# Altium PCB WireFeeder.PcbDoc (part 1 of 2) (continued)
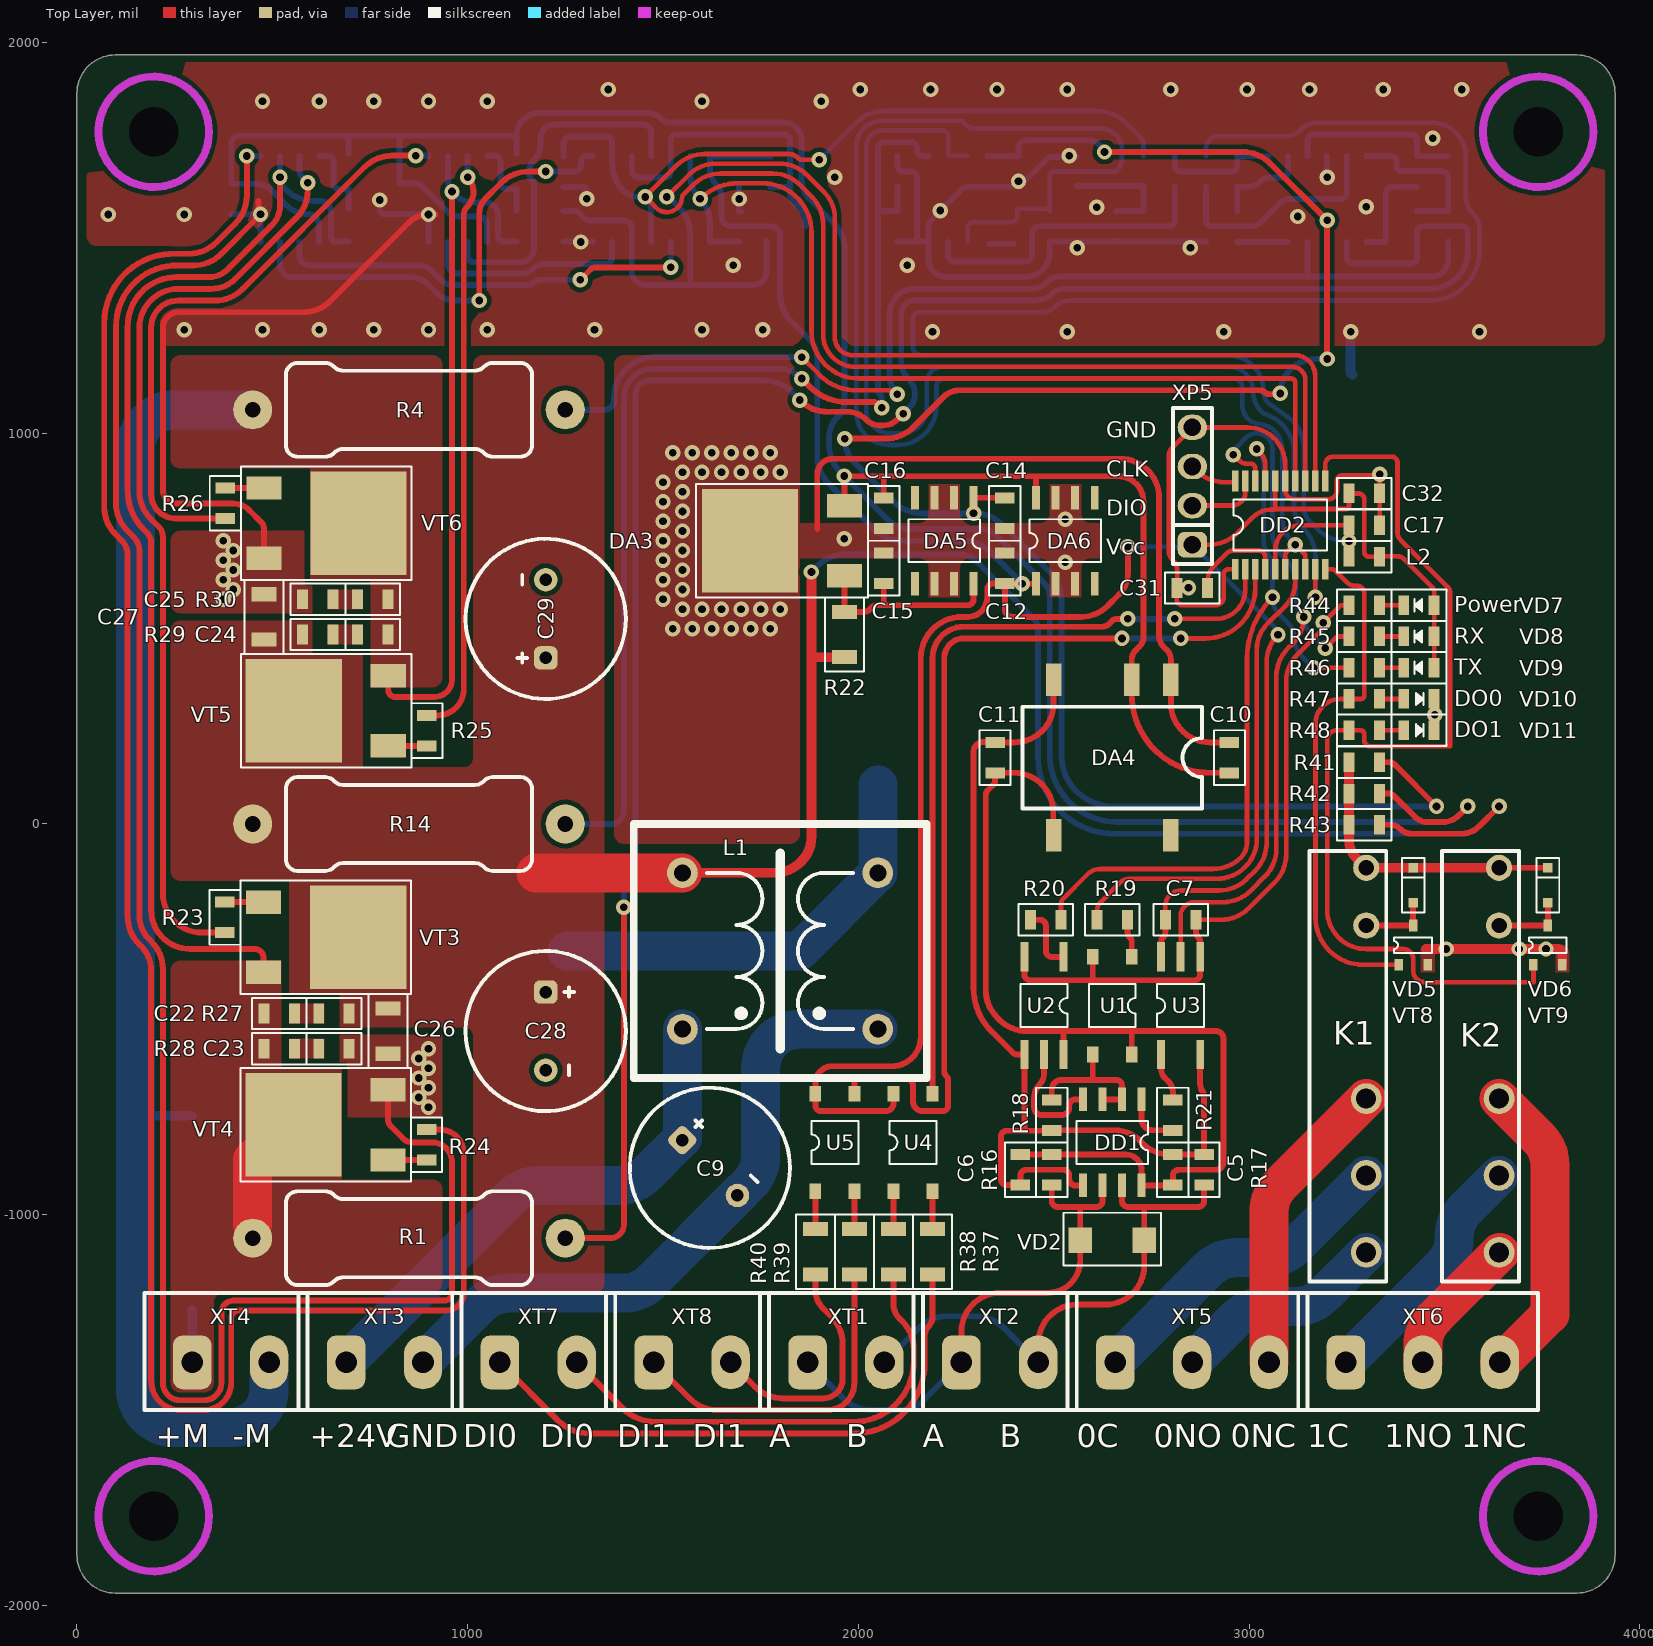
[diagram p0: Top Layer view]
## Components (designator, comment, footprint, x,y, rotation, side; value= is the part's Value field where it differs from the comment) (continued)
VD3 "BAS316 (100 V, 250 mA, SOD-323)" SOD-323 695,1669.63 r270 bottom
VD4 "BAS316 (100 V, 250 mA, SOD-323)" SOD-323 1125,1670 r270 bottom
VD5 "BAS316 (100 V, 250 mA, SOD-323)" SOD-323 3420,-157 r90 top
VD6 "BAS316 (100 V, 250 mA, SOD-323)" SOD-323 3765,-157 r90 top
VD7 "KP-2012SGC (2.2V, 25mA, LED0805 GREEN)" "LED0805 GREEN" 3435,560 r90 top
VD8 "KP-2012SGC (2.2V, 25mA, LED0805 GREEN)" "LED0805 GREEN" 3435,480 r90 top
VD9 "KP-2012SGC (2.2V, 25mA, LED0805 GREEN)" "LED0805 GREEN" 3435,400 r90 top
VD10 "KP-2012SGC (2.2V, 25mA, LED0805 GREEN)" "LED0805 GREEN" 3435,320 r270 top
VD11 "KP-2012SGC (2.2V, 25mA, LED0805 GREEN)" "LED0805 GREEN" 3435,240 r270 top
VT1 "2N7002K (60 V, 0.34 A, 1000 mOh, SOT23-3 MOSFET (GSD))" "SOT23-3 MOSFET (GSD)" 2610,1530 r270 bottom
VT2 "2N7002K (60 V, 0.34 A, 1000 mOh, SOT23-3 MOSFET (GSD))" "SOT23-3 MOSFET (GSD)" 2610,1670 r90 bottom
VT3 "IRFR8314 (30 V, 179 A, 2.2 mOh, D-PAK MOSFET)" "D-PAK MOSFET" 638,-290 r270 top
VT4 "IRFR8314 (30 V, 179 A, 2.2 mOh, D-PAK MOSFET)" "D-PAK MOSFET" 636,-770 r90 top
VT5 "IRFR8314 (30 V, 179 A, 2.2 mOh, D-PAK MOSFET)" "D-PAK MOSFET" 637,290 r90 top
VT6 "IRFR8314 (30 V, 179 A, 2.2 mOh, D-PAK MOSFET)" "D-PAK MOSFET" 639,770 r270 top
VT7 "2N7002K (60 V, 0.34 A, 1000 mOh, SOT23-3 MOSFET (GSD))" "SOT23-3 MOSFET (GSD)" 1815,1530 r90 bottom
VT8 "2N7002K (60 V, 0.34 A, 1000 mOh, SOT23-3 MOSFET (GSD))" "SOT23-3 MOSFET (GSD)" 3420,-310 r0 top
VT9 "2N7002K (60 V, 0.34 A, 1000 mOh, SOT23-3 MOSFET (GSD))" "SOT23-3 MOSFET (GSD)" 3765,-310 r0 top
XP5 "XP0003" PLS-04 2855,865 r90 top
XT1 "PCB Screw Terminal Blocks 2-Pin, Pitch 5mm" DG306-5.0-2P 1968.5,-1377.95 r0 top
XT2 "PCB Screw Terminal Blocks 2-Pin, Pitch 5mm" DG306-5.0-2P 2362.2,-1377.95 r0 top
XT3 "PCB Screw Terminal Blocks 2-Pin, Pitch 5mm" DG306-5.0-2P 787.4,-1377.95 r0 top
XT4 "PCB Screw Terminal Blocks 2-Pin, Pitch 5mm" DG306-5.0-2P 393.7,-1377.95 r0 top
XT5 "PCB Screw Terminal Blocks 3-Pin, Pitch 5mm" DG306-5.0-3P 2854.33,-1377.95 r0 top
XT6 "PCB Screw Terminal Blocks 3-Pin, Pitch 5mm" DG306-5.0-3P 3444.88,-1377.95 r0 top
XT7 "PCB Screw Terminal Blocks 2-Pin, Pitch 5mm" DG306-5.0-2P 1181.1,-1377.95 r0 top
XT8 "PCB Screw Terminal Blocks 2-Pin, Pitch 5mm" DG306-5.0-2P 1574.8,-1377.95 r0 top

## Footprints (in the part's own frame and the unit in brackets; to place one, negate y for a bottom-side part, rotate by r counter-clockwise, add the part's x,y. Pads: shape width x height; smd on the part's side, far side on the other; paste and mask are expansions set on the pad)
34.51 [mm] "Relay 34.51x series (Finder)"
  round 2 hole 1.3: 1A(12.1,0) 1B(2.1,0) 1C(7.1,0)
  round 1.7 hole 1: CoilA(-12.9,0) CoilB(-9.15,0)
  silkscreen extent -14,-3.7 14,1.3, body extent -14,-3.7 14,1.3, height 14.7
B_XT-1WR2 [mm] "B_XT-1WR2"
  rect 1x2.1 smd: +Vin(-1.27,-5.05) +Vout(3.81,5.05) -Vin(-3.81,-5.05) COM(3.81,-5.05) NC(-3.81,5.05)
  silkscreen extent -5.84,-3.3 5.84,3.3, body extent -6.34,-5.62 6.36,5.58, height 7.24
BU10 [mm] "COMMON MODE POWER LINE CHOKE"
  round 2 hole 1.1: InA(-6.35,-5.08) InB(6.35,-5.08) OutA(-6.35,5.08) OutB(6.35,5.08)
  silkscreen extent -9.53,-8.25 9.53,8.25, body extent -9.47,-8.05 9.47,8.05, height 22.5
CAP0805 [mil] "0805 Reflow Pad"
  rect 50x28 smd: 1(0,-39) 2(0,39)
  silkscreen extent -40,-70 40,70, body extent -25,-39 25,39, height 49
CAP1206 [mil] "1206 Reflow Pad"
  rect 64x36 smd: 1(0,-58) 2(0,58)
  silkscreen extent -50,-95 50,95, body extent -31,-61 31,61, height 63
CapAl10X16X5.0 [mil] "Aluminum Electrolytic Capacitors (Size:10X16X5.0mm,Straight)"
  rrect50% 60x60 hole 32: 1(-100,0)
  round 60 hole 32: 2(100,0)
  silkscreen extent -205,-205 205,205, body extent -198,-198 198,198, height 646
D-PAK [mil] "D-PAK Package"
  rect 265x246 smd: GND(0,82)
  rect 60x90 smd: Input(-90,-160) Output(90,-160)
  silkscreen extent -145,-220 145,220, body extent -128,-181 128,193, height 91
"D-PAK MOSFET" [mil] "MOSFET D-PAK (TO-252AA)"
  rect 265x246 smd: Drain(0,82)
  rect 60x90 smd: Gate(-90,-160) Source(90,-160)
  silkscreen extent -145,-219 145,217, body extent -128,-181 128,193, height 91
DG306-5.0-2P [mm] "Degson PCB Screw Terminal Blocks"
  rrect50% 2.5x3.5 hole 1.4: 1(-2.5,0)
  oval 2.5x3.5 hole 1.4: 2(2.5,0)
  silkscreen extent -5.6,-3.1 5,4.5, body extent -5.6,-3.1 5,4.5, height 10
DG306-5.0-3P [mm] "Degson PCB Screw Terminal Blocks"
  rrect50% 2.5x3.5 hole 1.4: 1(-5,0)
  oval 2.5x3.5 hole 1.4: 2(0,0) 3(5,0)
  silkscreen extent -8.1,-3.1 7.5,4.5, body extent -8.1,-3.1 7.5,4.5, height 10
IND0805 [mil] "0805 Reflow Pad"
  rect 50x28 smd: 1(0,-39) 2(0,39)
  silkscreen extent -40,-70 40,70, body extent -25,-39 25,39, height 49
"LED0805 GREEN" [mil] "0805 LED Green Color"
  rect 50x28 smd: Anode(0,-39) Cathode(0,39)
  silkscreen extent -40,-70 40,70, body extent -25,-39 25,39, height 43
PLS-04 [mil] "PCB Vertical Single Connector 4-Pin"
  rrect50% 65x75 hole 45: 1(-150,0)
  oval 65x75 hole 45: 2(-50,0) 3(50,0) 4(150,0)
  silkscreen extent -200,-50 200,50, body extent -200,-50 200,50, height 337
"RES2W (800mil)" [mil] "Resistor 2W 800mil"
  round 100 hole 40: 1(0,-400) 2(0,400)
  silkscreen extent -120,-315 120,315, body extent -108,-416 108,416, height 233
RES0805 [mil] "0805 Reflow Pad"
  rect 50x28 smd: 1(0,-39) 2(0,39)
  silkscreen extent -40,-70 40,70, body extent -25,-39 25,39, height 20
RES1206 [mil] "1206 Reflow Pad"
  rect 64x36 smd: 1(0,-58) 2(0,58)
  silkscreen extent -50,-95 50,95, body extent -32,-61 31,61, height 22
"SMA Bidirectional" [mil] "SMA Bidirectional TVS Diode"
  rect 60x65 smd: 1(-82,0) 2(82,0)
  silkscreen extent -125,-65 125,70, body extent -102,-57 102,57, height 91
"SO-6 5pin" [mil] "SMD SO-6 5pin Case"
  rect 20x75 smd: 1(-50,-125) 2(50,-125) 3(50,125) 4(0,125) 5(-50,125)
  silkscreen extent -60,-55 60,55, body extent -71,-138 71,138, height 105
"SO-8 Narrow" [mil] "SO-8 Narrow"
  rect 20x60 smd: 1(-75,-110) 2(-25,-110) 3(25,-110) 4(75,-110) 5(75,110) 6(25,110) 7(-25,110) 8(-75,110)
  silkscreen extent -92,-55 91,55, body extent -97,-115 96,112, height 57
"SO-14 Narrow" [mil] "SO-14 Narrow"
  rect 20x60 smd: 1(-150,-110) 2(-100,-110) 3(-50,-110) 4(0,-110) 5(50,-110) 6(100,-110) 7(150,-110) 8(150,110) 9(100,110) 10(50,110) 11(0,110) 12(-50,110) 13(-100,110) 14(-150,110)
  silkscreen extent -167,-55 167,55, body extent -172,-118 172,118, height 69
SOD-323 [mil] "SOD-323 Diode"
  rect 24x24 smd: Anode(-45,0) Cathode(45,0)
  silkscreen extent -70,-29 70,29, body extent -51,-27 51,27, height 43
SOP-4 [mil] "SMD SOP-4"
  rect 30x40 smd: 1(-50,-125) 2(50,-125) 3(50,125) 4(-50,125)
  silkscreen extent -60,-55 60,55, body extent -75,-138 75,138, height 87
"SOT23-3 MOSFET (GSD)" [mil] "SOT23-3 MOSFET (1 - Gate; 2- Source; 3 - Drain)"
  rect 22x30 smd: Drain(0,50) Gate(-37,-50) Source(37,-50)
  silkscreen extent -49,-20 48,20, body extent -57,-55 57,55, height 51
TSSOP-20 [mm]
  rect 0.4x1.35 smd: 1(-2.925,-2.875) 2(-2.275,-2.875) 3(-1.625,-2.875) 4(-0.975,-2.875) 5(-0.325,-2.875) 6(0.325,-2.875) 7(0.975,-2.875) 8(1.625,-2.875) 9(2.275,-2.875) 10(2.925,-2.875) 11(2.925,2.875) 12(2.275,2.875) 13(1.625,2.875) 14(0.975,2.875) 15(0.325,2.875) 16(-0.325,2.875) 17(-0.975,2.875) 18(-1.625,2.875) 19(-2.275,2.875) 20(-2.925,2.875)
  silkscreen extent -3.05,-1.65 3.05,1.65, body extent -3.25,-3.21 3.25,3.21, height 1.1

## Part data
C1 C2 C7 C17 C18 C19 C20 C21 C31 C32 C33: library part C0066, "GENERAL PURPOSE CLASS 2 CERAMIC CAPACITORS CAP0805 100nF±10% 50 V X7R", Case="0805 (2.0*1.25mm)", Dielectric=X7R, Manufacture=Yageo, PartNumber=CC0805KRX7R9BB104, Tolerance=±10%, Voltage="50 V", ComponentLink1Description="GENERAL PURPOSE CLASS 2 CERAMIC CAPACITORS", ComponentLink1URL=#VALUE!, ID=C0066
C3 C22 C23 C24 C25: library part C0060, "GENERAL PURPOSE CLASS 2 CERAMIC CAPACITORS CAP0805 10nF±10% 50 V X7R", Case="0805 (2.0*1.25mm)", Dielectric=X7R, Manufacture=Yageo, PartNumber=CC0805KRX7R9BB103, Tolerance=±10%, Voltage="50 V", ComponentLink1Description="GENERAL PURPOSE CLASS 2 CERAMIC CAPACITORS", ComponentLink1URL="C:\Users\ASGord\OneDrive\Documents\Altium Libraries\Passives Library\DataSheet\General Purpose & High Capacitance CERAMIC CAPACITOR CLASS II (Yageo).pdf", ID=C0060
C4 C5 C6 C10 C11 C12 C13 C14 C15 C16: library part C0072, "GENERAL PURPOSE CLASS 2 CERAMIC CAPACITORS CAP0805 1uF±10% 50 V X7R", Case="0805 (2.0*1.25mm)", Dielectric=X7R, Manufacture=Yageo, PartNumber=CC0805KRX7R9BB105, Tolerance=±10%, Voltage="50 V", ComponentLink1Description="GENERAL PURPOSE CLASS 2 CERAMIC CAPACITORS", ComponentLink1URL="C:\Users\ASGord\OneDrive\Documents\Altium Libraries\Passives Library\DataSheet\General Purpose & High Capacitance CERAMIC CAPACITOR CLASS II (Yageo).pdf", ID=C0072
C8 C30: library part C0095, "GENERAL PURPOSE CLASS 2 CERAMIC CAPACITORS CAP1206 330nF±10% 50 V X7R", Case="1206 (3.1*1.6mm)", Dielectric=X7R, Manufacture=Yageo, PartNumber=CC1206KKX7R9BB334, Tolerance=±10%, Voltage="50 V", ComponentLink1Description="GENERAL PURPOSE CLASS 2 CERAMIC CAPACITORS", ComponentLink1URL="C:\Users\ASGord\OneDrive\Documents\Altium Libraries\Passives Library\DataSheet\General Purpose & High Capacitance CERAMIC CAPACITOR CLASS II (Yageo).pdf", ID=C0095
C9 C28 C29: library part CAL1102, "MINIATURIZED ALUMINUM ELECTROLYTIC CAPACITORS CapAl10X16X5.0 330uF±20% 50 V 105⁰С", Case=10X16X5.0mm, Current="410 mA (100 kHz)", Manufacture=Panasonic, PartNumber=EEUHD1H331, Temperature=105⁰С, Tolerance=±20%, Voltage="50 V", ComponentLink1Description="MINIATURIZED ALUMINUM ELECTROLYTIC CAPACITORS", ComponentLink1URL="C:\Users\ASGord\OneDrive\Documents\Altium Libraries\Passives Library\DataSheet\Aluminum Electrolytic Capacitors (Panasonic).pdf", ID=CAL1102, Series=HD
C26 C27: library part C0099, "GENERAL PURPOSE CLASS 2 CERAMIC CAPACITORS CAP1206 2,2uF±10% 50 V X7R", Case="1206 (3.1*1.6mm)", Dielectric=X7R, Manufacture=Yageo, PartNumber=CC1206KKX7R9BB225, Tolerance=±10%, Voltage="50 V", ComponentLink1Description="GENERAL PURPOSE CLASS 2 CERAMIC CAPACITORS", ComponentLink1URL="C:\Users\ASGord\OneDrive\Documents\Altium Libraries\Passives Library\DataSheet\General Purpose & High Capacitance CERAMIC CAPACITOR CLASS II (Yageo).pdf", ID=C0099
DA1: library part DA0013, "TL084 Jfet-Input Operational Amplifier ( TL084, ±18 V, SO-14 Narrow )", Manufacture=TI, PartNumber=TL084CD, Supply Voltage="±18 V", Bandwidth=3MHz, ComponentLink1Description="TL084 Jfet-Input Operational Amplifier", ComponentLink1URL="C:\Altium Libraries\Analog IC Library\DataSheet\TL08x(TI).pdf", ID=DA0013, Model=TL084
DA2: library part DA0014, "TL072 Low-Noise FET-Input Operational Amplifiers ( TL072, ±5 V to ±15 V, SO-8 Narrow )", Manufacture=TI, PartNumber=TL072, Supply Voltage="±5 V to ±15 V", Bandwidth=5,25MHz, ComponentLink1Description="TL072 Low-Noise FET-Input Operational Amplifiers", ComponentLink1URL="C:\Altium Libraries\Analog IC Library\DataSheet\TL07x(TI).pdf", ID=DA0014, Model=TL072
DA3: library part DA0014, "Positive voltage regulators L78M12 (12 V, 500 mA, D-PAK, STM)", Current="500 mA", Manufacture=STM, PartNumber=L78M12ABDT-TR, Voltage="12 V", ComponentLink1Description="Positive voltage regulators L78M00 Series", ComponentLink1URL="C:\Altium Libraries\Power IC Library\DataSheet\L78M00 series (STM).pdf", ID=DA0014, Model=L78M12, Series=L78M05
DA4: library part DA0069, "DC-DC Unregulated Single Output Converter B1205XT-1WR2 (12 V, 5 V, 1W, Mornsun)", IN Voltage="12 V", Manufacture=Mornsun, OUT Voltage="5 V", PartNumber=B1205XT-1WR2, Power=1W, ComponentLink1Description="1W DC-DC Unregulated Single Output Converter", ComponentLink1URL="C:\Altium Libraries\Power IC Library\DataSheet\B_XT-1WR2(MORNSUN).pdf", ID=DA0069, Model=B1205XT-1WR2, Series=B_XT-1WR2
DA5: library part DA0001, "Positive voltage regulators L78L05 (5 V, 100 mA, SO-8 Narrow, STM)", Current="100 mA", Manufacture=STM, PartNumber=L78L05ABD13TR, Voltage="5 V", ComponentLink1Description="Positive voltage regulators L78L00 Series", ComponentLink1URL="C:\Altium Libraries\Power IC Library\DataSheet\L78L00 series (STM).pdf", ID=DA0001, Model=L78L05, Series=L78L00
DA6: library part DA0000, "Positive voltage regulators L78L33 (3.3 V, 100 mA, SO-8 Narrow, STM)", Current="100 mA", Manufacture=STM, PartNumber=L78L33ABD13TR, Voltage="3.3 V", ComponentLink1Description="Positive voltage regulators L78L00 Series", ComponentLink1URL="C:\Altium Libraries\Power IC Library\DataSheet\L78L00 series (STM).pdf", ID=DA0000, Model=L78L33, Series=L78L00
DA7 DA8: library part DA0000, "IRS2005 High and Low Side Driver  ( SO-8 Narrow, IRF)", Manufacture=IRF, PartNumber=IRS2005SPBF, ComponentLink1Description="IRS2005 High and Low Side Driver", ComponentLink1URL="C:\Altium Libraries\Power IC Library\DataSheet\IRS2005(IRF).pdf", ID=DA0000, Model=IRS2005
DD1: library part U0000, "Low-power transceivers for RS-485 and RS-422 (2.5 Mbit, 4.75 V ... 5.25 V, SO-8 Narrow)", Manufacture=Maxim, PartNumber=MAX483ESA, Supply Voltage="4.75 V ... 5.25 V", ComponentLink1Description="Low-power transceivers for RS-485 and RS-422", ComponentLink1URL="C:\Altium Libraries\Interface IC Library\DataSheet\MAX485(Maxim).pdf", ID=U0000, Model=MAX485, Qty Channels=1, Speed="2.5 Mbit"
DD2: Case=TSSOP-20, Manufacturer=STMicroelectronics, Temperature range="- 40 to 85 °C", ComponentLink1Description=STM32F030, ComponentLink1URL=https://www.st.com/resource/en/datasheet/stm32f030f4.pdf, Flash memory size=16Kb, Name=STM32F030F4P6, PartNumber=STM32F030F4P6, RAM memory size=4Kb
DD3: library part DD0001, "SN74HC08 Quadruple 2-Input Positive-AND Gates", Manufacture=TI, PartNumber=SN74HC08D, ComponentLink1Description="Logic Guide (TI)", ComponentLink1URL="C:\Altium Libraries\Digital IC Library\DataSheet\Logic Guide (TI).pdf", ComponentLink2Description=SN74HC08, ComponentLink2URL="C:\Altium Libraries\Digital IC Library\DataSheet\SN74HC08(TI).pdf", ID=DD0001, Model=SN74HC08, Series=HC
K1 K2: Current="6 A", Manufacture=Finder, PartNumber=34.51.7.005.0010, Coil=5VDC, ComponentLink1Description="Ultra-Slim PCB relays 34 Series (Finder)", ComponentLink1URL="C:\Altium Libraries\Electromechanical Library\DataSheet\34 Series (Finder).pdf", ComponentLink2Description="Relays Terminology", ComponentLink2URL="C:\Altium Libraries\Electromechanical Library\DataSheet\Relays Terminology.pdf", Contact form="SPDT (1C)", ID=K0015, Model=34.51.7.005.00, Series=34.51
L1: library part L0126, Case=BU10, Current=1.2A, Manufacture=Coilcraft, PartNumber=BU10-1811R2BL, ComponentLink1Description="Common Mode Chokes", ComponentLink1URL="C:\Users\ASGord\OneDrive\Documents\Altium Libraries\Passives Library\DataSheet\BUxx series (Coilcraft).pdf", ID=L0126
L2: library part L0000, "SMALL POWER INDUCTOR 1.0u±20% 3.5A", Case="0805 (2.0*1.25mm)", Current=3.5A, Manufacture=Samsung, PartNumber=CIGT201208EH1R0MNE, Tolerance=±20%, ComponentLink1Description="SMALL POWER INDUCTOR", ComponentLink1URL=#VALUE!, ID=L0000
R1 R4 R14: library part R0118, "Carbon Film Fixed Resistors RES2W (16*5.5mm)  82K±5% 500V 2W", Case="RES2W (16*5.5mm)", Manufacture=KLS, PartNumber=KLS6-CF-2W-82KR-J, Power=2W, Tolerance=±5%, Voltage=500V, ComponentLink1Description="Carbon Film Fixed Resistors", ComponentLink1URL=#VALUE!, ID=R0118
R2 R3 R5 R6 R7 R8 R9 R12 R13 R15: library part R1729, "GENERAL PURPOSE CHIP RESISTORS RES0805 9K09±1% 150V 0.125W", Case="0805 (2.0*1.25mm)", Manufacture=Yageo, PartNumber=RC0805FR-079K09L, Power=0.125W, Tolerance=±1%, Voltage=150V, ComponentLink1Description="GENERAL PURPOSE CHIP RESISTORS", ComponentLink1URL=#VALUE!, ID=R1729
R10: library part R0477, "GENERAL PURPOSE CHIP RESISTORS RES0805 100K±5% 150V 0.125W", Case="0805 (2.0*1.25mm)", Manufacture=Yageo, PartNumber=RC0805JR-07100KL, Power=0.125W, Tolerance=±5%, Voltage=150V, ComponentLink1Description="GENERAL PURPOSE CHIP RESISTORS", ComponentLink1URL=#VALUE!, ID=R0477
R11: library part R0470, "GENERAL PURPOSE CHIP RESISTORS RES0805 51K±5% 150V 0.125W", Case="0805 (2.0*1.25mm)", Manufacture=Yageo, PartNumber=RC0805JR-0751KL, Power=0.125W, Tolerance=±5%, Voltage=150V, ComponentLink1Description="GENERAL PURPOSE CHIP RESISTORS", ComponentLink1URL=#VALUE!, ID=R0470
R16 R17 R18 R19 R20 R21: library part R0429, "GENERAL PURPOSE CHIP RESISTORS RES0805 1K0±5% 150V 0.125W", Case="0805 (2.0*1.25mm)", Manufacture=Yageo, PartNumber=RC0805JR-071K0L, Power=0.125W, Tolerance=±5%, Voltage=150V, ComponentLink1Description="GENERAL PURPOSE CHIP RESISTORS", ComponentLink1URL="C:\Users\ASGord\OneDrive\Documents\Altium Libraries\Passives Library\DataSheet\GENERAL PURPOSE CHIP RESISTORS (Yageo).pdf", ID=R0429
R22 R31 R32: library part R0580, "GENERAL PURPOSE CHIP RESISTORS RES1206 75R±5% 200V 0.25W", Case="1206 (3.1*1.6mm)", Manufacture=Yageo, PartNumber=RC1206JR-0775RL, Power=0.25W, Tolerance=±5%, Voltage=200V, ComponentLink1Description="GENERAL PURPOSE CHIP RESISTORS", ComponentLink1URL="C:\Users\ASGord\OneDrive\Documents\Altium Libraries\Passives Library\DataSheet\GENERAL PURPOSE CHIP RESISTORS (Yageo).pdf", ID=R0580
R23 R24 R25 R26 R27 R28 R29 R30: library part R0405, "GENERAL PURPOSE CHIP RESISTORS RES0805 100R±5% 150V 0.125W", Case="0805 (2.0*1.25mm)", Manufacture=Yageo, PartNumber=RC0805JR-07100RL, Power=0.125W, Tolerance=±5%, Voltage=150V, ComponentLink1Description="GENERAL PURPOSE CHIP RESISTORS", ComponentLink1URL="C:\Users\ASGord\OneDrive\Documents\Altium Libraries\Passives Library\DataSheet\GENERAL PURPOSE CHIP RESISTORS (Yageo).pdf", ID=R0405
R33 R34 R35 R36: library part R0453, "GENERAL PURPOSE CHIP RESISTORS RES0805 10K±5% 150V 0.125W", Case="0805 (2.0*1.25mm)", Manufacture=Yageo, PartNumber=RC0805JR-0710KL, Power=0.125W, Tolerance=±5%, Voltage=150V, ComponentLink1Description="GENERAL PURPOSE CHIP RESISTORS", ComponentLink1URL="C:\Users\ASGord\OneDrive\Documents\Altium Libraries\Passives Library\DataSheet\GENERAL PURPOSE CHIP RESISTORS (Yageo).pdf", ID=R0453
R37 R38 R39 R40: library part R0624, "GENERAL PURPOSE CHIP RESISTORS RES1206 5K1±5% 200V 0.25W", Case="1206 (3.1*1.6mm)", Manufacture=Yageo, PartNumber=RC1206JR-075K1L, Power=0.25W, Tolerance=±5%, Voltage=200V, ComponentLink1Description="GENERAL PURPOSE CHIP RESISTORS", ComponentLink1URL="C:\Users\ASGord\OneDrive\Documents\Altium Libraries\Passives Library\DataSheet\GENERAL PURPOSE CHIP RESISTORS (Yageo).pdf", ID=R0624
R41 R42 R43: library part R0356, "GENERAL PURPOSE CHIP RESISTORS RES0805 0R±5% 150V 0.125W", Case="0805 (2.0*1.25mm)", Manufacture=Yageo, PartNumber=RC0805JR-070RL, Power=0.125W, Tolerance=±5%, Voltage=150V, ComponentLink1Description="GENERAL PURPOSE CHIP RESISTORS", ComponentLink1URL="C:\Users\ASGord\OneDrive\Documents\Altium Libraries\Passives Library\DataSheet\GENERAL PURPOSE CHIP RESISTORS (Yageo).pdf", ID=R0356
R44 R45 R46 R47 R48: library part R0422, "GENERAL PURPOSE CHIP RESISTORS RES0805 510R±5% 150V 0.125W", Case="0805 (2.0*1.25mm)", Manufacture=Yageo, PartNumber=RC0805JR-07510RL, Power=0.125W, Tolerance=±5%, Voltage=150V, ComponentLink1Description="GENERAL PURPOSE CHIP RESISTORS", ComponentLink1URL="C:\Users\ASGord\OneDrive\Documents\Altium Libraries\Passives Library\DataSheet\GENERAL PURPOSE CHIP RESISTORS (Yageo).pdf", ID=R0422
U1: library part U0002, "TLP183 Phototransistor Optocoupler (80 V, 50 mA, SOP-4)", Current="50 mA", Manufacture=Toshiba, PartNumber=TLP183(BL-TPL,E, Voltage="80 V", ComponentLink1Description="TLP183 Phototransistor Optocoupler", ComponentLink1URL="C:\Altium Libraries\Interface IC Library\DataSheet\TLP183(Toshiba).pdf", ID=U0002, Model=TLV183, Qty Channels=1
U2 U3: library part U0001, "TLP2355 Buffer logic type, 5 MBd Digital Optocoupler (5 Mbit, 2.7 V ... 5.5 V, SO-6 5pin)", Manufacture=Toshiba, PartNumber=TLP2355, Supply Voltage="2.7 V ... 5.5 V", ComponentLink1Description="TLP2355 Buffer logic type, 5 MBd Digital Optocoupler", ComponentLink1URL="C:\Altium Libraries\Interface IC Library\DataSheet\TLP2355(Toshiba).pdf", ID=U0001, Model=TLP2355, Qty Channels=1, Speed="5 Mbit"
U4 U5: library part U0001, "LTV-354T Phototransistor Optocoupler (35 V, 50 mA, SOP-4)", Current="50 mA", Manufacture=LiteOn, PartNumber=LTV-354T, Voltage="35 V", ComponentLink1Description="LTV-354T Phototransistor Optocoupler", ComponentLink1URL="C:\Altium Libraries\Interface IC Library\DataSheet\LTV-354T(LiteOn).pdf", ID=U0001, Model=LTV-354T, Qty Channels=1
VD1 VD3 VD4 VD5 VD6: "DIODE BAS316 (100 V, 250 mA, SOD-323, NXP)", Case=SOD-323, Current="250 mA", Manufacture=NXP, PartNumber=BAS316,115, Voltage="100 V", ComponentLink1Description="BAS316 High-speed switching diode", ComponentLink1URL="C:\Users\Ivan\OneDrive\Altium Libraries\Discrete Semiconductors Library\DataSheet\BAS316,115(NXP).pdf", ID=VD0001, Model=BAS316
VD2: "TVS DIODE SMAJ6.5CA (6.5 V, 400 W, SMA Bidirectional, STM)", Case=SMA, Manufacture=STM, PartNumber=SMAJ6.5CA-TR, Power="400 W", Voltage="6.5 V", ComponentLink1Description="SMAJ6.5CA Transient Voltage Suppressors", ComponentLink1URL="C:\Users\Ivan\OneDrive\Altium Libraries\Discrete Semiconductors Library\DataSheet\SMAJ Series (STM).pdf", ID=VD0195, Model=SMAJ6.5CA
VD7 VD8 VD9 VD10 VD11: "LED SMD KP-2012SGC (2.2V, 25mA, LED0805 GREEN)", Case=0805, Color="SUPER BRIGHT GREEN", Current=25mA, PartNumber=KP-2012SGC, Voltage=2.2V, ComponentLink1Description="SMD Green LED 0805", ComponentLink1URL="C:\Altium Libraries\Discrete Semiconductors Library\DataSheet\KP-2012SGC(KGB).pdf", ID=VD003, Luminous Intensity=15mcd, Model=KP-2012SGC
VT1 VT2 VT7 VT8 VT9: library part VT0020, "MOSFET 2N7002K (60 V, 0.34 A, 1000 mOh, SOT23-3 MOSFET (GSD), Hottech)", Case=SOT-23, Current="0.34 A", Manufacture=Hottech, On-Resistance="1000 mOh", PartNumber=2N7002K, Voltage="60 V", ComponentLink1Description="2N7002K  N-Channel MOSFET", ComponentLink1URL="C:\Altium Libraries\Discrete Semiconductors Library\DataSheet\2N7002K(Hottech).pdf", ID=VT0020, Model=2N7002K
VT3 VT4 VT5 VT6: library part VT0005, "MOSFET IRFR8314 (30 V, 179 A, 2.2 mOh, D-PAK MOSFET, IRF)", Case=D-PAK, Current="179 A", Manufacture=IRF, On-Resistance="2.2 mOh", PartNumber=IRFR8314TRPbF, Voltage="30 V", ComponentLink1Description="IRFR8314 HEXFET Power MOSFET", ComponentLink1URL="C:\Altium Libraries\Discrete Semiconductors Library\DataSheet\IRFR8314PBF(INF).pdf", ID=VT0005, Model=IRFR8314
XP5: "Vertical Single Connector PLS-04 3A 250V", Current Rating=3A, Manufacture=CONNFLY, PartNumber=DS1021-1x4SF11-3A, Voltage Rating=250V, ComponentLink1Description="Vertical Single Connector", ComponentLink1URL="C:\Altium Libraries\Connectors Libraries_KI\DataSheet\DS1021.pdf", ID=XP0003, Name Connector=SWD, Number of Pins=4, Pin 1 Name=+3.3V, Pin 2 Name=SWDIO, Pin 3 Name=SWCLK, Pin 4 Name=GND, Series=PLS
XT1 XT2 XT3 XT4 XT7 XT8: library part DG306-5.0-2P-12, "PCB Screw Terminal Blocks 2-Pole, Pitch 5mm, 250V, 15A per Pin", Manufacture=Degson, ComponentLink1Description="DG306-5.0 Series Connector (Degson)", ComponentLink1URL=http://www.degson.com/en/downpdf/id/948.html, PartNumber=DG306-5.0-2P-12
  XT1: Name Connector="RS-485 ModBus", Pin 1 Name=A, Pin 2 Name=B
  XT2: Name Connector="RS-485 Res.Term.", Pin 1 Name=A, Pin 2 Name=B
  XT3: Name Connector=Power, Pin 1 Name=+24V, Pin 2 Name=GND
  XT4: Name Connector="Wire Feeder Motor", Pin 1 Name=Motor+, Pin 2 Name=Motor-
  XT7: Name Connector=DI0, Pin 1 Name=DI0, Pin 2 Name=DI0
  XT8: Name Connector=DI1, Pin 1 Name=DI1, Pin 2 Name=DI1
XT5 XT6: library part DG306-5.0-3P-12, "PCB Screw Terminal Blocks 3-Pole, Pitch 5mm, 250V, 15A per Pin", Manufacture=Degson, ComponentLink1Description="DG306-5.0 Series Connector (Degson)", ComponentLink1URL=http://www.degson.com/en/downpdf/id/948.html, PartNumber=DG306-5.0-3P-12
  XT5: Name Connector=DO0, Pin 1 Name=C1, Pin 2 Name=NO1, Pin 3 Name=NC1
  XT6: Name Connector=DO1, Pin 1 Name=C2, Pin 2 Name=NO2, Pin 3 Name=NC2

## Free pads (board coordinates)
  round 118.11 hole 125.98 unplated: ""(196.85,-1771.65) ""(196.85,1771.65) ""(3740.16,-1771.65) ""(3740.16,1771.65)

## Via types
v1: diameter 39.37, hole 19.68, Top Layer to Bottom Layer, tented both sides, 161 vias

## Nets (pads, with @x,y where several pads share a name; then routed paths per layer and width w, separated by ;. In a path a pad name is that pad's centre, name@x,y a point inside that pad or via, vN(x,y) a via of type N, cw(c..) or ccw(c..) an arc to the next point about the centre after c; other vN are vias at no path point)
+3.3V: C7.2 C12.2 C32.1 C33.1 DA6.1 DD2.16 DD3.14 L2.1 R34.2 U3.5 U4.4 U5.4 VD7.Anode VD8.Anode VD9.Anode XP5.1 | length 6962
  Top Layer w12: C7.2@2786,-245 2786,-209 cw(c2825,-209) 2825,-170 2923.58,-170 ccw(c2923.58,-70) 2994.29,-140.71 3015.71,-119.29 ccw(c2945,-48.58) 3045,-48.58 3045,413.58 cw(c3145,413.58) v1(3074.29,484.29) v1@3080,490 ; XP5.1@2855,715 2898.58,715 ccw(c2898.58,815) 2969.29,744.29 3010,785 cw(c3058.28,736.72) 3058.28,805 3065,805 ccw(c3059.68,810.32) 3065.84,806 ; DD2.16@3067.2,878.19 3067.2,810.32 cw(c3059.68,810.32) 3065.84,806 ; VD9.Anode@3474,400 VD8.Anode@3474,480 VD7.Anode@3474,560 3474,595.34 ccw(c3460.34,595.34) 3470,605 3397.07,677.93 ccw(c3380,660.86) 3380,685 3336.41,685 ccw(c3336.41,681.59) L2.1@3334,684 3307,684 cw(c3307,696) 3295,696 3295,831 ccw(c3280,831) 3280,846 C32.1@3256,846 3256,814.12 cw(c3247.88,814.12) 3247.88,806 3065.84,806
  Top Layer w15: U4.4@2090,-690 2090,-715 cw(c2070,-715) 2070,-735 1905,-735 cw(c1905,-720) 1890,-720 U5.4@1890,-690 1890,-663.43 cw(c1933.43,-663.43) 1933.43,-620 2085,-620 ccw(c2085,-545) 2160,-545 2160,425 cw(c2265,425) 2265,530 2280,530 ccw(c2280,580) 2330,580 2330,600 cw(c2346,600) 2346,616 C12.2@2375,616 ; DA6.1@2455,615 v1(2420,615) 2376,615 cw(c2376,616) C12.2@2375,616 ; v1(2690,710) 2690,641.82 cw(c2613.18,641.82) 2667.51,587.51 2638.75,558.75 cw(c2569.34,628.16) 2638.71,558.71 cw(c2569.34,628.16) 2569.34,530 2395,530 cw(c2395,550) 2375,550 C12.2@2375,616 ; U3.5@2775,-340 2775,-302.07 cw(c2792.07,-302.07) 2780,-290 ccw(c2765.51,-275.51) 2786,-275.51 C7.2@2786,-245
  Bottom Layer w12: v1(2690,710) 2842.93,710 ccw(c2842.93,727.07) XP5.1@2855,715 v1@3080,490
  Bottom Layer w15: R34.2@1775,1708.63 1622.41,1708.63 cw(c1622.41,1712.04) 1620,1709.63 1620,1677.55 ccw(c1677.17,1677.55) 1636.75,1637.13 cw(c1604.75,1605.13) 1650,1605.13 1650,1554.63 ccw(c1674.63,1554.63) 1674.63,1530 1775,1530 cw(c1775,1505) 1800,1505 1800,1356.42 ccw(c1900,1356.42) 1829.29,1285.71 1875,1240 cw(c1826.72,1191.72) 1895,1191.72 1895,941.42 ccw(c1995,941.42) 1924.29,870.71 2040.71,754.29 ccw(c2111.42,825) 2111.42,725 2268.58,725 cw(c2268.58,625) 2339.29,695.71 v1(2420,615)
+5V: C13.2 C14.2 DA1.4 DA2.8 DA5.1 R41.2 | length 5176.7
  Top Layer w15: v1(1965,986.42) 2070,986.42 ccw(c2070,1086.42) 2140.71,1015.71 2217.5,1092.5 ; 2217.53,1092.53 cw(c2259.75,1050.25) 2259.75,1110 3027.93,1110 cw(c3027.93,1092.93) 3040,1105 ccw(c3052.07,1117.07) 3052.07,1100 v1@3080,1100 ; DA5.1@2295,835 2374,835 cw(c2374,834) C14.2@2375,834 ; v1(2630,1720) 2983.45,1720 cw(c2983.45,1620) 3054.16,1690.71 v1(3199.87,1545) v1@3199.87,1200 ; R41.2@3334,158 3357.1,158 cw(c3357.1,134.1) 3373.98,151.02 v1(3480,45)
  Bottom Layer w15: v1(1965,986.42) ccw(c2052.93,986.42) 1990.75,924.25 2088.54,826.46 ccw(c2164.5,902.43) 2164.5,795 v1(2295,795) 2298.58,795 cw(c2298.58,695) 2369.29,765.71 2490.71,644.29 cw(c2420,573.58) 2520,573.58 2520,176.55 ccw(c2651.55,176.55) 2651.55,45 v1(3480,45) ; DA2.8@2330,1710 ccw(c2332.41,1712.41) 2332.41,1709 C13.2@2410,1709 2410,1730 cw(c2430,1730) 2430,1750 2590.86,1750 cw(c2590.86,1715.86) 2615,1740 2626.46,1728.54 cw(c2617.93,1720) v1(2630,1720) ; v1@3080,1100 cw(c3170,1100) 3170,1190 v1(3200,1190) ; v1(3199.87,1545) 3200,1545 DA1.4@3200,1490
  other v1: 3080,1102
+5V-RS485: C5.2 C6.2 C11.2 DA4.+Vout DD1.8 R16.2 U1.4 U2.5 | length 2550
  Top Layer w15: C6.2@2425,-846 R16.2@2495,-846 2685,-846 cw(c2685,-886) 2725,-886 DD1.8@2725,-925 C5.2@2789,-925 ; DA4.+Vout@2498.82,-30 2498.82,31 ccw(c2398.82,31) 2398.82,131 C11.2@2350,131 2350,110 cw(c2337.93,110) 2346.46,101.46 2330.88,85.88 ccw(c2341.94,74.82) 2326.3,74.82 2326.3,-424.88 ccw(c2426.3,-424.88) 2355.59,-495.59 2360.71,-500.71 ccw(c2431.42,-430) 2431.42,-530 2435,-530 2525,-530 ; U2.5@2525,-590 2525,-530 ; U1.4@2700,-590 2700,-530 ; C5.2@2799,-925 ccw(c2799,-919) 2805,-919 2805,-900 cw(c2820,-900) 2820,-885 2915,-885 ccw(c2915,-865) 2935,-865 2935,-550 ccw(c2915,-550) 2915,-530 2700,-530 ; 2525,-530 2700,-530
+12V: C10.2 C16.2 C18.2 C20.2 DA3.Output DA4.+Vin DA6.8 DA7.1 DA8.1 R42.2 VD3.Anode VD4.Anode | length 7763.1
  Top Layer w15: DA3.Output@1965,815 1965,890 2065,890 ; C16.2@2065,834 2065,890 ; DA6.8@2455,835 2455,890 ; 2730,820 2730,480 cw(c2693.79,480) 2719.39,454.39 2710,445 ccw(c2734.14,420.86) 2700,420.86 DA4.+Vin@2700,368.82 2700,331.35 ccw(c2900.35,331.35) 2900.35,131 C10.2@2950,131 ; 2730,825 ccw(c2665,825) 2665,890 2455,890 ; R42.2@3334,78 3357.22,78 cw(c3357.22,59.22) 3370.5,72.5 3425.12,17.88 ccw(c3456.21,48.97) 3456.21,5 3495,5 ccw(c3495,65.36) 3537.68,22.68 v1(3560,45) ; 2065,890 2455,890
  Bottom Layer w15: DA7.1@620,1489.63 620,1533.6 ccw(c592.97,1533.6) 592.97,1560.63 cw(c592.97,1641.74) 535.62,1584.38 500,1620 ccw(c455.03,1575.03) 455.03,1638.63 C18.2@395,1638.63 395,1740.63 cw(c416,1740.63) 416,1761.63 695,1761.63 ; VD3.Anode@695,1714.63 695,1761.63 ; DA8.1@1050,1490 1050,1532 ccw(c1027,1532) 1027,1555 977,1555 cw(c977,1593.63) 949.69,1566.31 884,1632 ccw(c867.1,1615.1) 867.1,1639 C20.2@825,1639 826,1640 826,1761.63 ; VD4.Anode@1125,1715 1125,1761.32 cw(c1178.31,1761.32) 1125,1761.63 ; v1(3560,45) 3537.68,22.68 cw(c3495,65.36) 3495,5 2662.55,5 cw(c2662.55,177.55) 2490,177.55 2490,583.05 ccw(c2443.05,583.05) 2476.25,616.25 2353.75,738.75 ccw(c2314.52,699.52) 2314.52,755 2130,755 cw(c2130,828.21) 2078.23,776.44 v1(1964.13,890.54) 1954.29,900.38 cw(c2025,971.09) 1925,971.09 1925,990 cw(c1997.43,990) 1946.21,1041.21 1950,1045 ccw(c1913.79,1081.21) 1965,1081.21 1965,1470 ccw(c1868.43,1470) 1936.72,1538.28 1875,1600 cw(c1923.28,1648.28) 1855,1648.28 1855,1750 ccw(c1810,1750) 1810,1795 1519.14,1795 cw(c1519.14,1829.14) 1495,1805 ccw(c1458.79,1768.79) 1458.79,1820 1183.71,1820 ccw(c1183.71,1761.29) 1125,1761.63 ; 695,1761.63 826,1761.63 ; 826,1761.63 1125,1761.63
+24V: C26.2 C27.2 C28.1 C29.1 L1.OutA R14.1 R22.2 R27.2 R29.2 R43.2 VT3.Drain VT5.Drain | length 4182.5
  Top Layer w15: R43.2@3334,-2 3361.86,-2 cw(c3361.86,-36.14) 3386,-12 ccw(c3417.38,19.38) 3417.38,-25 3542.72,-25 ccw(c3542.72,40.86) 3589.29,-5.71 v1(3640,45)
  Top Layer w25: L1.OutA@1550,-125 1783.58,-125 ccw(c1783.58,-25) 1854.29,-95.71 ccw(c1792.22,-33.64) 1880,-33.64 1880,427 ; v1(1880,645) 1880,427 ; R22.2@1965,427 1880,427
  Top Layer w100: 1175,-125 L1.OutA@1550,-125
  Bottom Layer w15: v1(1880,645) 1895.71,660.71 cw(c1966.42,590) 1966.42,690 2259.58,690 cw(c2259.58,628.63) 2302.98,672.02 2447.5,527.5 cw(c2417.32,497.32) 2460,497.32 2460,170.64 ccw(c2655.64,170.64) 2655.64,-25 3542.72,-25 ccw(c3542.72,40.86) 3589.29,-5.71 v1(3640,45)
+M: C19.1 C22.1 DA7.6 R1.1 R28.2 R31.1 VT3.Source VT4.Drain XT4.1 | length 3321.3
  Top Layer w15: VT3.Source@478,-380 478,-343 ccw(c455,-343) 455,-320 290,-320 cw(c290,-220) 190,-220 190,720.86 ccw(c155.86,720.86) 180,745 171.21,753.79 cw(c270.71,853.28) 130,853.28 130,1274.28 cw(c255.35,1274.28) 255.35,1399.63 337.58,1399.63 ccw(c337.58,1468.24) 386.1,1419.72 499.9,1533.53 ccw(c451.38,1582.05) 520,1582.05 v1(520,1655.63)
  Top Layer w100: R1.1@450,-1025 450,-859 VT4.Drain@554,-755
  Bottom Layer w15: DA7.6@520,1709.63 v1(520,1655.63) ccw(c561.04,1655.63) 532.02,1626.61 534.71,1623.92 ccw(c605.42,1694.63) 605.42,1594.63 622,1594.63 cw(c622,1566.63) 650,1566.63 650,1502.63 ccw(c662,1502.63) 662,1490.63 C19.1@695,1490.63
  Bottom Layer w25: XT4.1@295.28,-1377.95 R31.1@295.28,-1243
-M: C21.1 C24.1 DA8.6 R4.1 R30.2 R32.2 VT5.Source VT6.Drain XT4.2 | length 5252.8
  Top Layer w15: VT5.Source@797,380 797,343 ccw(c815,343) 815,325 915,325 ccw(c915,370) 960,370 960,1279.63 960,1380 v1@960,1607.86
  Bottom Layer w15: 150,-750 150,-747 ; DA8.6@950,1710 950,1642.77 ccw(c984.14,1642.77) v1(960,1618.63) 967.49,1611.13 ccw(c1017,1660.64) 1017,1590.63 1047,1590.63 cw(c1047,1559.63) 1078,1559.63 1078,1504.63 ccw(c1092,1504.63) 1092,1490.63 C21.1@1125,1490.63
  Bottom Layer w25: 150,-747 R32.2@295.28,-747
  Bottom Layer w100: 150,-750 150,-1445 ccw(c250,-1445) 250,-1545 392.13,-1545 ccw(c392.13,-1445) 492.13,-1445 XT4.2@492.13,-1377.95 ; 150,-747 150,960 cw(c250,960) 250,1060 R4.1@450,1060
DE: DD2.7 R19.2 | length 1252.1
  Top Layer w12: R19.2@2611,-245 2611,-221.73 cw(c2641.73,-221.73) 2620,-200 2669.39,-150.61 cw(c2695,-176.21) 2695,-140 2918.58,-140 ccw(c2918.58,-40) 2989.29,-110.71 2990.71,-109.29 ccw(c2920,-38.58) 3020,-38.58 3020,448.58 cw(c3107.93,448.58) 3045.75,510.75 3093.54,558.54 ccw(c3033.54,618.53) 3118.39,618.53 DD2.7@3118.39,651.81
DI0a: R37.1 XT7.1 | length 1492.3
  Top Layer w15: XT7.1@1082.68,-1377.95 1230.44,-1525.71 ccw(c1313.22,-1442.93) 1313.22,-1560 1988.99,-1560 ccw(c1988.99,-1378.99) 2170,-1378.99 2170,-1310 cw(c2206.21,-1310) 2180.61,-1284.39 ccw(c2157.93,-1261.72) 2190,-1261.72 R37.1@2190,-1153
DI0b: R38.1 XT7.2 | length 1246
  Top Layer w15: XT7.2@1279.53,-1377.95 1397.29,-1495.71 ccw(c1480.07,-1412.93) 1480.07,-1530 1987.75,-1530 ccw(c1987.75,-1376.02) 2141.73,-1376.02 2141.73,-1343.15 ccw(c2041.73,-1343.15) 2112.44,-1272.44 2105,-1265 cw(c2141.21,-1228.79) 2090,-1228.79 R38.1@2090,-1153
DI1a: R39.1 XT8.1 | length 876.8
  Top Layer w15: XT8.1@1476.38,-1377.95 1569.14,-1470.71 ccw(c1639.85,-1400) 1639.85,-1500 1920,-1500 ccw(c1920,-1430) 1990,-1430 R39.1@1990,-1153
DI1b: R40.1 XT8.2 | length 637.9
  Top Layer w15: XT8.2@1673.23,-1377.95 1735.99,-1440.71 ccw(c1806.7,-1370) 1806.7,-1470 1910,-1470 ccw(c1910,-1420) 1960,-1420 1960,-1331.42 ccw(c1860,-1331.42) 1930.71,-1260.71 1910,-1240 cw(c1958.28,-1191.72) 1890,-1191.72 R40.1@1890,-1153
DIn0: DD2.2 U4.3 | length 2062.2
  Top Layer w12: v1(2810,525) 2915.43,525 ccw(c2915.43,600) 2990.43,600 DD2.2@2990.43,651.81
  Top Layer w15: U4.3@2190,-690 2190,425 cw(c2270,425) 2270,505 2625,505 ccw(c2625,529.14) 2642.07,512.07 2650,520 cw(c2662.07,507.93) 2662.07,525 v1(2690,525)
  Bottom Layer w15: v1(2690,525) v1(2810,525)
DIn1: DD2.3 U5.3 | length 2444.3
  Top Layer w12: v1(2825,475) 2888.65,475 ccw(c2888.65,602.38) 3016.02,602.38 DD2.3@3016.02,651.81
  Top Layer w15: U5.3@1990,-690 1990,-660 cw(c2000,-660) 2000,-650 2120,-650 cw(c2120,-670) 2140,-670 2140,-710 ccw(c2165,-710) 2165,-735 2215,-735 ccw(c2215,-720) 2230,-720 2230,-657.07 ccw(c2212.93,-657.07) 2225,-645 cw(c2237.07,-632.93) 2220,-632.93 2220,425 cw(c2270,425) 2270,475 v1(2675,475)
  Bottom Layer w15: v1(2675,475) v1(2825,475)
Dir: DD2.12 DD3.2 DD3.5 R33.2 VT7.Gate | length 3402.7
  Top Layer w12: v1(1510,1605) 1566.72,1661.72 cw(c1635,1593.43) 1635,1690 1798.58,1690 cw(c1798.58,1590) 1869.29,1660.71 1911.72,1618.28 cw(c1843.43,1550) 1940,1550 1940,1245 ccw(c1985,1245) 1985,1200 3116.32,1200 cw(c3116.32,1146.76) 3169.57,1146.76 DD2.12@3169.57,878.19 ; v1@1520,1600 v1@1520,1605
  Bottom Layer w15: R33.2@1245,1568.63 1275.34,1568.63 cw(c1275.34,1554.97) 1285,1564.63 1297.93,1551.7 ccw(c1315,1568.77) 1315,1544.63 1400,1544.63 cw(c1400,1524.63) 1420,1524.63 DD3.5@1420,1490 1420,1414.63 ccw(c1455,1414.63) 1455,1379.63 1570,1379.63 ; v1@1520,1599.63 1540.71,1578.92 cw(c1470,1508.21) 1570,1508.21 DD3.2@1570,1490 1570,1379.63 ; VT7.Gate@1765,1493 1765,1414.63 cw(c1730,1414.63) 1730,1379.63 1570,1379.63
DOut0: DD2.10 R47.2 VT8.Gate | length 1331.5
  Top Layer w12: DD2.10@3195.16,651.81 3211.63,651.81 cw(c3211.63,638.39) 3221.12,647.88 3251.22,617.78 ccw(c3270,636.56) 3270,610 3275,610 cw(c3275,590) 3295,590 3295,329 cw(c3286,329) 3286,320 R47.2@3256,320 3233.65,320 ccw(c3233.65,256.35) 3170,256.35 3170,-238.5 ccw(c3291.5,-238.5) 3291.5,-360 VT8.Gate@3383,-360
DOut1: DD2.11 R48.2 VT9.Gate | length 2512.6
  Top Layer w12: DD2.11@3195.16,878.19 3195.16,920.16 cw(c3215,920.16) 3215,940 3365,940 cw(c3365,925) 3380,925 3380,745 ccw(c3404.14,745) 3387.07,727.93 3507.93,607.07 cw(c3490.86,590) 3515,590 3515,199 3310,199 cw(c3310,214) 3295,214 3295,230 ccw(c3285,230) 3285,240 R48.2@3256,240 3225,240 ccw(c3225,215) 3200,215 3200,-220 ccw(c3300,-220) 3274.67,-316.74 ccw(c3300,-220) 3300,-320 3395,-320 cw(c3395,-345) 3420,-345 3420,-375 ccw(c3450,-375) 3450,-405 3728,-405 VT9.Gate@3728,-360